# Altium PCB SupBigBrrg_0.PcbDoc (part 15 of 29) (continued)
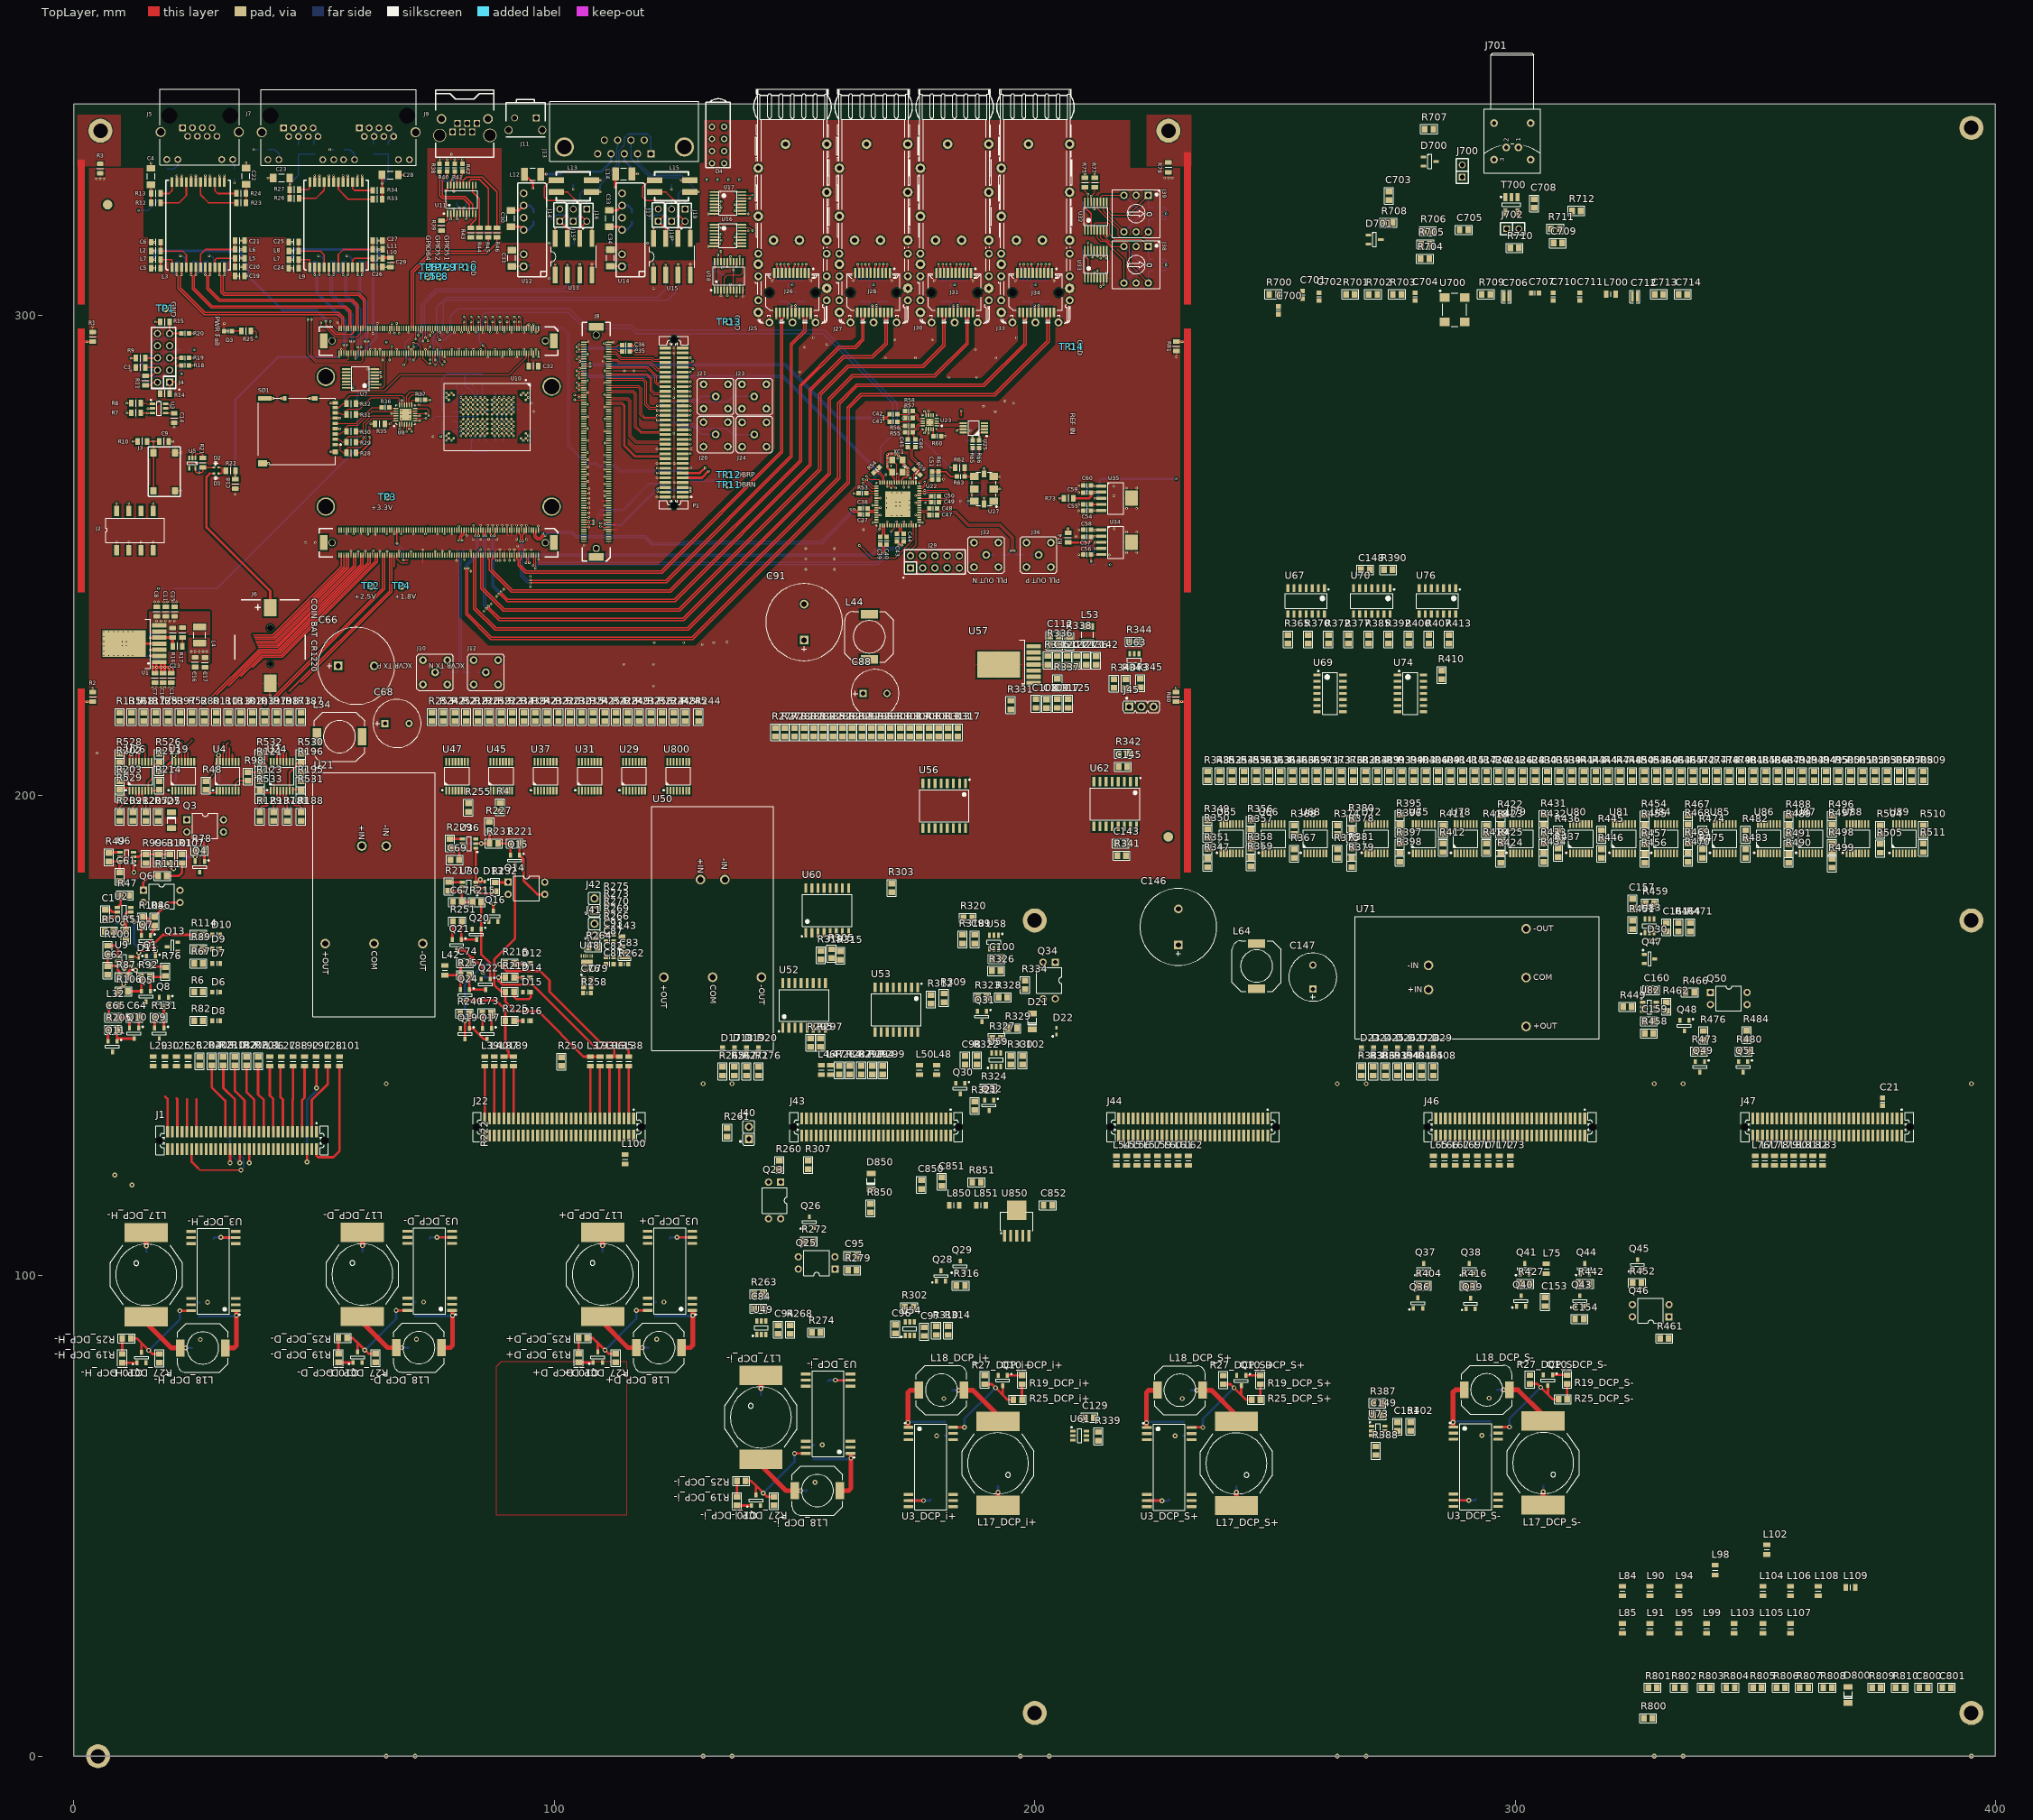
[diagram p0: TopLayer view]
## Design rules (kind name [scope] priority, off if disabled: settings) (continued)
DiffPairsRouting "Schematic Differential Pairs Routing_83" [InNet('SFP_TX_2.IO_P')] p1279: maxlimit=0.5 minlimit=0.075 mostfreqgap=0.254 toplayer_prefgap=0.175 toplayer_minwidth=0.075 toplayer_maxwidth=0.5 toplayer_prefwidth=0.25 midlayer3_maxgap=0.254 midlayer3_minwidth=0.075 midlayer3_maxwidth=0.5 midlayer3_prefwidth=0.25 midlayer4_maxgap=0.254 midlayer4_minwidth=0.075 midlayer4_maxwidth=0.5 midlayer4_prefwidth=0.25 bottomlayer_prefgap=0.175 bottomlayer_minwidth=0.075 bottomlayer_maxwidth=0.5 bottomlayer_prefwidth=0.25 maxuncoupledlength=12.7
DiffPairsRouting "Schematic Differential Pairs Routing_29" [InNet('SFP_TX_3.IO_N')] p1280: maxlimit=0.5 minlimit=0.075 mostfreqgap=0.254 toplayer_prefgap=0.175 toplayer_minwidth=0.075 toplayer_maxwidth=0.5 toplayer_prefwidth=0.25 midlayer3_maxgap=0.254 midlayer3_minwidth=0.075 midlayer3_maxwidth=0.5 midlayer3_prefwidth=0.25 midlayer4_maxgap=0.254 midlayer4_minwidth=0.075 midlayer4_maxwidth=0.5 midlayer4_prefwidth=0.25 bottomlayer_prefgap=0.175 bottomlayer_minwidth=0.075 bottomlayer_maxwidth=0.5 bottomlayer_prefwidth=0.25 maxuncoupledlength=12.7
DiffPairsRouting "Schematic Differential Pairs Routing_12" [InNet('SFP_TX_3.IO_P')] p1281: maxlimit=0.5 minlimit=0.075 mostfreqgap=0.254 toplayer_prefgap=0.175 toplayer_minwidth=0.075 toplayer_maxwidth=0.5 toplayer_prefwidth=0.25 midlayer3_maxgap=0.254 midlayer3_minwidth=0.075 midlayer3_maxwidth=0.5 midlayer3_prefwidth=0.25 midlayer4_maxgap=0.254 midlayer4_minwidth=0.075 midlayer4_maxwidth=0.5 midlayer4_prefwidth=0.25 bottomlayer_prefgap=0.175 bottomlayer_minwidth=0.075 bottomlayer_maxwidth=0.5 bottomlayer_prefwidth=0.25 maxuncoupledlength=12.7
DiffPairsRouting "Schematic Differential Pairs Routing_665" [InNet('ETH0_D_N')] p1282: maxlimit=0.5 minlimit=0.075 mostfreqgap=0.254 toplayer_prefgap=0.175 toplayer_minwidth=0.075 toplayer_maxwidth=0.5 toplayer_prefwidth=0.25 midlayer3_maxgap=0.254 midlayer3_minwidth=0.075 midlayer3_maxwidth=0.5 midlayer3_prefwidth=0.25 midlayer4_maxgap=0.254 midlayer4_minwidth=0.075 midlayer4_maxwidth=0.5 midlayer4_prefwidth=0.25 bottomlayer_prefgap=0.175 bottomlayer_minwidth=0.075 bottomlayer_maxwidth=0.5 bottomlayer_prefwidth=0.25 maxuncoupledlength=12.7
DiffPairsRouting "Schematic Differential Pairs Routing_664" [InNet('ETH0_C_P')] p1283: maxlimit=0.5 minlimit=0.075 mostfreqgap=0.254 toplayer_prefgap=0.175 toplayer_minwidth=0.075 toplayer_maxwidth=0.5 toplayer_prefwidth=0.25 midlayer3_maxgap=0.254 midlayer3_minwidth=0.075 midlayer3_maxwidth=0.5 midlayer3_prefwidth=0.25 midlayer4_maxgap=0.254 midlayer4_minwidth=0.075 midlayer4_maxwidth=0.5 midlayer4_prefwidth=0.25 bottomlayer_prefgap=0.175 bottomlayer_minwidth=0.075 bottomlayer_maxwidth=0.5 bottomlayer_prefwidth=0.25 maxuncoupledlength=12.7
DiffPairsRouting "Schematic Differential Pairs Routing_650" [InNet('ETH0_C_N')] p1284: maxlimit=0.5 minlimit=0.075 mostfreqgap=0.254 toplayer_prefgap=0.175 toplayer_minwidth=0.075 toplayer_maxwidth=0.5 toplayer_prefwidth=0.25 midlayer3_maxgap=0.254 midlayer3_minwidth=0.075 midlayer3_maxwidth=0.5 midlayer3_prefwidth=0.25 midlayer4_maxgap=0.254 midlayer4_minwidth=0.075 midlayer4_maxwidth=0.5 midlayer4_prefwidth=0.25 bottomlayer_prefgap=0.175 bottomlayer_minwidth=0.075 bottomlayer_maxwidth=0.5 bottomlayer_prefwidth=0.25 maxuncoupledlength=12.7
DiffPairsRouting "Schematic Differential Pairs Routing_648" [InNet('ETH0_A_P')] p1285: maxlimit=0.5 minlimit=0.075 mostfreqgap=0.254 toplayer_prefgap=0.175 toplayer_minwidth=0.075 toplayer_maxwidth=0.5 toplayer_prefwidth=0.25 midlayer3_maxgap=0.254 midlayer3_minwidth=0.075 midlayer3_maxwidth=0.5 midlayer3_prefwidth=0.25 midlayer4_maxgap=0.254 midlayer4_minwidth=0.075 midlayer4_maxwidth=0.5 midlayer4_prefwidth=0.25 bottomlayer_prefgap=0.175 bottomlayer_minwidth=0.075 bottomlayer_maxwidth=0.5 bottomlayer_prefwidth=0.25 maxuncoupledlength=12.7
DiffPairsRouting "Schematic Differential Pairs Routing_615" [InNet('ETH0_B_N')] p1286: maxlimit=0.5 minlimit=0.075 mostfreqgap=0.254 toplayer_prefgap=0.175 toplayer_minwidth=0.075 toplayer_maxwidth=0.5 toplayer_prefwidth=0.25 midlayer3_maxgap=0.254 midlayer3_minwidth=0.075 midlayer3_maxwidth=0.5 midlayer3_prefwidth=0.25 midlayer4_maxgap=0.254 midlayer4_minwidth=0.075 midlayer4_maxwidth=0.5 midlayer4_prefwidth=0.25 bottomlayer_prefgap=0.175 bottomlayer_minwidth=0.075 bottomlayer_maxwidth=0.5 bottomlayer_prefwidth=0.25 maxuncoupledlength=12.7
DiffPairsRouting "Schematic Differential Pairs Routing_613" [InNet('ETH0_D_N')] p1287: maxlimit=0.5 minlimit=0.075 mostfreqgap=0.254 toplayer_prefgap=0.175 toplayer_minwidth=0.075 toplayer_maxwidth=0.5 toplayer_prefwidth=0.25 midlayer3_maxgap=0.254 midlayer3_minwidth=0.075 midlayer3_maxwidth=0.5 midlayer3_prefwidth=0.25 midlayer4_maxgap=0.254 midlayer4_minwidth=0.075 midlayer4_maxwidth=0.5 midlayer4_prefwidth=0.25 bottomlayer_prefgap=0.175 bottomlayer_minwidth=0.075 bottomlayer_maxwidth=0.5 bottomlayer_prefwidth=0.25 maxuncoupledlength=12.7
DiffPairsRouting "Schematic Differential Pairs Routing_611" [InNet('ETH0_C_P')] p1288: maxlimit=0.5 minlimit=0.075 mostfreqgap=0.254 toplayer_prefgap=0.175 toplayer_minwidth=0.075 toplayer_maxwidth=0.5 toplayer_prefwidth=0.25 midlayer3_maxgap=0.254 midlayer3_minwidth=0.075 midlayer3_maxwidth=0.5 midlayer3_prefwidth=0.25 midlayer4_maxgap=0.254 midlayer4_minwidth=0.075 midlayer4_maxwidth=0.5 midlayer4_prefwidth=0.25 bottomlayer_prefgap=0.175 bottomlayer_minwidth=0.075 bottomlayer_maxwidth=0.5 bottomlayer_prefwidth=0.25 maxuncoupledlength=12.7
DiffPairsRouting "Schematic Differential Pairs Routing_610" [InNet('ETH0_C_N')] p1289: maxlimit=0.5 minlimit=0.075 mostfreqgap=0.254 toplayer_prefgap=0.175 toplayer_minwidth=0.075 toplayer_maxwidth=0.5 toplayer_prefwidth=0.25 midlayer3_maxgap=0.254 midlayer3_minwidth=0.075 midlayer3_maxwidth=0.5 midlayer3_prefwidth=0.25 midlayer4_maxgap=0.254 midlayer4_minwidth=0.075 midlayer4_maxwidth=0.5 midlayer4_prefwidth=0.25 bottomlayer_prefgap=0.175 bottomlayer_minwidth=0.075 bottomlayer_maxwidth=0.5 bottomlayer_prefwidth=0.25 maxuncoupledlength=12.7
DiffPairsRouting "Schematic Differential Pairs Routing_603" [InNet('ETH0_A_P')] p1290: maxlimit=0.5 minlimit=0.075 mostfreqgap=0.254 toplayer_prefgap=0.175 toplayer_minwidth=0.075 toplayer_maxwidth=0.5 toplayer_prefwidth=0.25 midlayer3_maxgap=0.254 midlayer3_minwidth=0.075 midlayer3_maxwidth=0.5 midlayer3_prefwidth=0.25 midlayer4_maxgap=0.254 midlayer4_minwidth=0.075 midlayer4_maxwidth=0.5 midlayer4_prefwidth=0.25 bottomlayer_prefgap=0.175 bottomlayer_minwidth=0.075 bottomlayer_maxwidth=0.5 bottomlayer_prefwidth=0.25 maxuncoupledlength=12.7
DiffPairsRouting "Schematic Differential Pairs Routing_195" [InNet('SFP_TX_2.IO_P')] p1291: maxlimit=0.5 minlimit=0.075 mostfreqgap=0.254 toplayer_prefgap=0.175 toplayer_minwidth=0.075 toplayer_maxwidth=0.5 toplayer_prefwidth=0.25 midlayer3_maxgap=0.254 midlayer3_minwidth=0.075 midlayer3_maxwidth=0.5 midlayer3_prefwidth=0.25 midlayer4_maxgap=0.254 midlayer4_minwidth=0.075 midlayer4_maxwidth=0.5 midlayer4_prefwidth=0.25 bottomlayer_prefgap=0.175 bottomlayer_minwidth=0.075 bottomlayer_maxwidth=0.5 bottomlayer_prefwidth=0.25 maxuncoupledlength=12.7
DiffPairsRouting "Schematic Differential Pairs Routing_57" [InNet('SFP_TX_3.IO_P')] p1292: maxlimit=0.5 minlimit=0.075 mostfreqgap=0.254 toplayer_prefgap=0.175 toplayer_minwidth=0.075 toplayer_maxwidth=0.5 toplayer_prefwidth=0.25 midlayer3_maxgap=0.254 midlayer3_minwidth=0.075 midlayer3_maxwidth=0.5 midlayer3_prefwidth=0.25 midlayer4_maxgap=0.254 midlayer4_minwidth=0.075 midlayer4_maxwidth=0.5 midlayer4_prefwidth=0.25 bottomlayer_prefgap=0.175 bottomlayer_minwidth=0.075 bottomlayer_maxwidth=0.5 bottomlayer_prefwidth=0.25 maxuncoupledlength=12.7
DiffPairsRouting "Schematic Differential Pairs Routing_589" [InNet('ETH0_C_P')] p1293: maxlimit=0.5 minlimit=0.075 mostfreqgap=0.254 toplayer_prefgap=0.175 toplayer_minwidth=0.075 toplayer_maxwidth=0.5 toplayer_prefwidth=0.25 midlayer3_maxgap=0.254 midlayer3_minwidth=0.075 midlayer3_maxwidth=0.5 midlayer3_prefwidth=0.25 midlayer4_maxgap=0.254 midlayer4_minwidth=0.075 midlayer4_maxwidth=0.5 midlayer4_prefwidth=0.25 bottomlayer_prefgap=0.175 bottomlayer_minwidth=0.075 bottomlayer_maxwidth=0.5 bottomlayer_prefwidth=0.25 maxuncoupledlength=12.7
DiffPairsRouting "Schematic Differential Pairs Routing_329" [InNet('SFP_TX_2.IO_P')] p1294: maxlimit=0.5 minlimit=0.075 mostfreqgap=0.254 toplayer_prefgap=0.175 toplayer_minwidth=0.075 toplayer_maxwidth=0.5 toplayer_prefwidth=0.25 midlayer3_maxgap=0.254 midlayer3_minwidth=0.075 midlayer3_maxwidth=0.5 midlayer3_prefwidth=0.25 midlayer4_maxgap=0.254 midlayer4_minwidth=0.075 midlayer4_maxwidth=0.5 midlayer4_prefwidth=0.25 bottomlayer_prefgap=0.175 bottomlayer_minwidth=0.075 bottomlayer_maxwidth=0.5 bottomlayer_prefwidth=0.25 maxuncoupledlength=12.7
DiffPairsRouting "Schematic Differential Pairs Routing_180" [InNet('SFP_TX_3.IO_P')] p1295: maxlimit=0.5 minlimit=0.075 mostfreqgap=0.254 toplayer_prefgap=0.175 toplayer_minwidth=0.075 toplayer_maxwidth=0.5 toplayer_prefwidth=0.25 midlayer3_maxgap=0.254 midlayer3_minwidth=0.075 midlayer3_maxwidth=0.5 midlayer3_prefwidth=0.25 midlayer4_maxgap=0.254 midlayer4_minwidth=0.075 midlayer4_maxwidth=0.5 midlayer4_prefwidth=0.25 bottomlayer_prefgap=0.175 bottomlayer_minwidth=0.075 bottomlayer_maxwidth=0.5 bottomlayer_prefwidth=0.25 maxuncoupledlength=12.7
DiffPairsRouting "Schematic Differential Pairs Routing_168" [InNet('SFP_TX_2.IO_P')] p1296: maxlimit=0.5 minlimit=0.075 mostfreqgap=0.254 toplayer_prefgap=0.175 toplayer_minwidth=0.075 toplayer_maxwidth=0.5 toplayer_prefwidth=0.25 midlayer3_maxgap=0.254 midlayer3_minwidth=0.075 midlayer3_maxwidth=0.5 midlayer3_prefwidth=0.25 midlayer4_maxgap=0.254 midlayer4_minwidth=0.075 midlayer4_maxwidth=0.5 midlayer4_prefwidth=0.25 bottomlayer_prefgap=0.175 bottomlayer_minwidth=0.075 bottomlayer_maxwidth=0.5 bottomlayer_prefwidth=0.25 maxuncoupledlength=12.7
DiffPairsRouting "Schematic Differential Pairs Routing_130" [InNet('ETH0_C_N')] p1297: maxlimit=0.5 minlimit=0.075 mostfreqgap=0.254 toplayer_prefgap=0.175 toplayer_minwidth=0.075 toplayer_maxwidth=0.5 toplayer_prefwidth=0.25 midlayer3_maxgap=0.254 midlayer3_minwidth=0.075 midlayer3_maxwidth=0.5 midlayer3_prefwidth=0.25 midlayer4_maxgap=0.254 midlayer4_minwidth=0.075 midlayer4_maxwidth=0.5 midlayer4_prefwidth=0.25 bottomlayer_prefgap=0.175 bottomlayer_minwidth=0.075 bottomlayer_maxwidth=0.5 bottomlayer_prefwidth=0.25 maxuncoupledlength=12.7
DiffPairsRouting "Schematic Differential Pairs Routing_111" [InNet('ETH0_C_P')] p1298: maxlimit=0.5 minlimit=0.075 mostfreqgap=0.254 toplayer_prefgap=0.175 toplayer_minwidth=0.075 toplayer_maxwidth=0.5 toplayer_prefwidth=0.25 midlayer3_maxgap=0.254 midlayer3_minwidth=0.075 midlayer3_maxwidth=0.5 midlayer3_prefwidth=0.25 midlayer4_maxgap=0.254 midlayer4_minwidth=0.075 midlayer4_maxwidth=0.5 midlayer4_prefwidth=0.25 bottomlayer_prefgap=0.175 bottomlayer_minwidth=0.075 bottomlayer_maxwidth=0.5 bottomlayer_prefwidth=0.25 maxuncoupledlength=12.7
DiffPairsRouting "Schematic Differential Pairs Routing_85" [InNet('ETH0_D_N')] p1299: maxlimit=0.5 minlimit=0.075 mostfreqgap=0.254 toplayer_prefgap=0.175 toplayer_minwidth=0.075 toplayer_maxwidth=0.5 toplayer_prefwidth=0.25 midlayer3_maxgap=0.254 midlayer3_minwidth=0.075 midlayer3_maxwidth=0.5 midlayer3_prefwidth=0.25 midlayer4_maxgap=0.254 midlayer4_minwidth=0.075 midlayer4_maxwidth=0.5 midlayer4_prefwidth=0.25 bottomlayer_prefgap=0.175 bottomlayer_minwidth=0.075 bottomlayer_maxwidth=0.5 bottomlayer_prefwidth=0.25 maxuncoupledlength=12.7
DiffPairsRouting "Schematic Differential Pairs Routing_81" [InNet('ETH0_D_P')] p1300: maxlimit=0.5 minlimit=0.075 mostfreqgap=0.254 toplayer_prefgap=0.175 toplayer_minwidth=0.075 toplayer_maxwidth=0.5 toplayer_prefwidth=0.25 midlayer3_maxgap=0.254 midlayer3_minwidth=0.075 midlayer3_maxwidth=0.5 midlayer3_prefwidth=0.25 midlayer4_maxgap=0.254 midlayer4_minwidth=0.075 midlayer4_maxwidth=0.5 midlayer4_prefwidth=0.25 bottomlayer_prefgap=0.175 bottomlayer_minwidth=0.075 bottomlayer_maxwidth=0.5 bottomlayer_prefwidth=0.25 maxuncoupledlength=12.7
DiffPairsRouting "Schematic Differential Pairs Routing_529" [InNet('ETH0_C_N')] p1301: maxlimit=0.5 minlimit=0.075 mostfreqgap=0.254 toplayer_prefgap=0.175 toplayer_minwidth=0.075 toplayer_maxwidth=0.5 toplayer_prefwidth=0.25 midlayer3_maxgap=0.254 midlayer3_minwidth=0.075 midlayer3_maxwidth=0.5 midlayer3_prefwidth=0.25 midlayer4_maxgap=0.254 midlayer4_minwidth=0.075 midlayer4_maxwidth=0.5 midlayer4_prefwidth=0.25 bottomlayer_prefgap=0.175 bottomlayer_minwidth=0.075 bottomlayer_maxwidth=0.5 bottomlayer_prefwidth=0.25 maxuncoupledlength=12.7
DiffPairsRouting "Schematic Differential Pairs Routing_528" [InNet('ETH0_C_P')] p1302: maxlimit=0.5 minlimit=0.075 mostfreqgap=0.254 toplayer_prefgap=0.175 toplayer_minwidth=0.075 toplayer_maxwidth=0.5 toplayer_prefwidth=0.25 midlayer3_maxgap=0.254 midlayer3_minwidth=0.075 midlayer3_maxwidth=0.5 midlayer3_prefwidth=0.25 midlayer4_maxgap=0.254 midlayer4_minwidth=0.075 midlayer4_maxwidth=0.5 midlayer4_prefwidth=0.25 bottomlayer_prefgap=0.175 bottomlayer_minwidth=0.075 bottomlayer_maxwidth=0.5 bottomlayer_prefwidth=0.25 maxuncoupledlength=12.7
DiffPairsRouting "Schematic Differential Pairs Routing_504" [InNet('ETH0_D_P')] p1303: maxlimit=0.5 minlimit=0.075 mostfreqgap=0.254 toplayer_prefgap=0.175 toplayer_minwidth=0.075 toplayer_maxwidth=0.5 toplayer_prefwidth=0.25 midlayer3_maxgap=0.254 midlayer3_minwidth=0.075 midlayer3_maxwidth=0.5 midlayer3_prefwidth=0.25 midlayer4_maxgap=0.254 midlayer4_minwidth=0.075 midlayer4_maxwidth=0.5 midlayer4_prefwidth=0.25 bottomlayer_prefgap=0.175 bottomlayer_minwidth=0.075 bottomlayer_maxwidth=0.5 bottomlayer_prefwidth=0.25 maxuncoupledlength=12.7
DiffPairsRouting "Schematic Differential Pairs Routing_499" [InNet('ETH0_A_P')] p1304: maxlimit=0.5 minlimit=0.075 mostfreqgap=0.254 toplayer_prefgap=0.175 toplayer_minwidth=0.075 toplayer_maxwidth=0.5 toplayer_prefwidth=0.25 midlayer3_maxgap=0.254 midlayer3_minwidth=0.075 midlayer3_maxwidth=0.5 midlayer3_prefwidth=0.25 midlayer4_maxgap=0.254 midlayer4_minwidth=0.075 midlayer4_maxwidth=0.5 midlayer4_prefwidth=0.25 bottomlayer_prefgap=0.175 bottomlayer_minwidth=0.075 bottomlayer_maxwidth=0.5 bottomlayer_prefwidth=0.25 maxuncoupledlength=12.7
DiffPairsRouting "Schematic Differential Pairs Routing_498" [InNet('ETH0_B_P')] p1305: maxlimit=0.5 minlimit=0.075 mostfreqgap=0.254 toplayer_prefgap=0.175 toplayer_minwidth=0.075 toplayer_maxwidth=0.5 toplayer_prefwidth=0.25 midlayer3_maxgap=0.254 midlayer3_minwidth=0.075 midlayer3_maxwidth=0.5 midlayer3_prefwidth=0.25 midlayer4_maxgap=0.254 midlayer4_minwidth=0.075 midlayer4_maxwidth=0.5 midlayer4_prefwidth=0.25 bottomlayer_prefgap=0.175 bottomlayer_minwidth=0.075 bottomlayer_maxwidth=0.5 bottomlayer_prefwidth=0.25 maxuncoupledlength=12.7
DiffPairsRouting "Schematic Differential Pairs Routing_264" [InNet('ETH0_D_N')] p1306: maxlimit=0.5 minlimit=0.075 mostfreqgap=0.254 toplayer_prefgap=0.175 toplayer_minwidth=0.075 toplayer_maxwidth=0.5 toplayer_prefwidth=0.25 midlayer3_maxgap=0.254 midlayer3_minwidth=0.075 midlayer3_maxwidth=0.5 midlayer3_prefwidth=0.25 midlayer4_maxgap=0.254 midlayer4_minwidth=0.075 midlayer4_maxwidth=0.5 midlayer4_prefwidth=0.25 bottomlayer_prefgap=0.175 bottomlayer_minwidth=0.075 bottomlayer_maxwidth=0.5 bottomlayer_prefwidth=0.25 maxuncoupledlength=12.7
DiffPairsRouting "Schematic Differential Pairs Routing_227" [InNet('ETH0_C_P')] p1307: maxlimit=0.5 minlimit=0.075 mostfreqgap=0.254 toplayer_prefgap=0.175 toplayer_minwidth=0.075 toplayer_maxwidth=0.5 toplayer_prefwidth=0.25 midlayer3_maxgap=0.254 midlayer3_minwidth=0.075 midlayer3_maxwidth=0.5 midlayer3_prefwidth=0.25 midlayer4_maxgap=0.254 midlayer4_minwidth=0.075 midlayer4_maxwidth=0.5 midlayer4_prefwidth=0.25 bottomlayer_prefgap=0.175 bottomlayer_minwidth=0.075 bottomlayer_maxwidth=0.5 bottomlayer_prefwidth=0.25 maxuncoupledlength=12.7
DiffPairsRouting "Schematic Differential Pairs Routing_202" [InNet('ETH0_C_N')] p1308: maxlimit=0.5 minlimit=0.075 mostfreqgap=0.254 toplayer_prefgap=0.175 toplayer_minwidth=0.075 toplayer_maxwidth=0.5 toplayer_prefwidth=0.25 midlayer3_maxgap=0.254 midlayer3_minwidth=0.075 midlayer3_maxwidth=0.5 midlayer3_prefwidth=0.25 midlayer4_maxgap=0.254 midlayer4_minwidth=0.075 midlayer4_maxwidth=0.5 midlayer4_prefwidth=0.25 bottomlayer_prefgap=0.175 bottomlayer_minwidth=0.075 bottomlayer_maxwidth=0.5 bottomlayer_prefwidth=0.25 maxuncoupledlength=12.7
DiffPairsRouting "Schematic Differential Pairs Routing_196" [InNet('ETH0_A_P')] p1309: maxlimit=0.5 minlimit=0.075 mostfreqgap=0.254 toplayer_prefgap=0.175 toplayer_minwidth=0.075 toplayer_maxwidth=0.5 toplayer_prefwidth=0.25 midlayer3_maxgap=0.254 midlayer3_minwidth=0.075 midlayer3_maxwidth=0.5 midlayer3_prefwidth=0.25 midlayer4_maxgap=0.254 midlayer4_minwidth=0.075 midlayer4_maxwidth=0.5 midlayer4_prefwidth=0.25 bottomlayer_prefgap=0.175 bottomlayer_minwidth=0.075 bottomlayer_maxwidth=0.5 bottomlayer_prefwidth=0.25 maxuncoupledlength=12.7
DiffPairsRouting "Schematic Differential Pairs Routing_192" [InNet('ETH0_A_N')] p1310: maxlimit=0.5 minlimit=0.075 mostfreqgap=0.254 toplayer_prefgap=0.175 toplayer_minwidth=0.075 toplayer_maxwidth=0.5 toplayer_prefwidth=0.25 midlayer3_maxgap=0.254 midlayer3_minwidth=0.075 midlayer3_maxwidth=0.5 midlayer3_prefwidth=0.25 midlayer4_maxgap=0.254 midlayer4_minwidth=0.075 midlayer4_maxwidth=0.5 midlayer4_prefwidth=0.25 bottomlayer_prefgap=0.175 bottomlayer_minwidth=0.075 bottomlayer_maxwidth=0.5 bottomlayer_prefwidth=0.25 maxuncoupledlength=12.7
DiffPairsRouting "Schematic Differential Pairs Routing_469" [InNet('GTP_REF0.IO_N')] p1311: maxlimit=0.5 minlimit=0.075 mostfreqgap=0.254 toplayer_prefgap=0.175 toplayer_minwidth=0.075 toplayer_maxwidth=0.5 toplayer_prefwidth=0.25 midlayer3_maxgap=0.254 midlayer3_minwidth=0.075 midlayer3_maxwidth=0.5 midlayer3_prefwidth=0.25 midlayer4_maxgap=0.254 midlayer4_minwidth=0.075 midlayer4_maxwidth=0.5 midlayer4_prefwidth=0.25 bottomlayer_prefgap=0.175 bottomlayer_minwidth=0.075 bottomlayer_maxwidth=0.5 bottomlayer_prefwidth=0.25 maxuncoupledlength=12.7
DiffPairsRouting "Schematic Differential Pairs Routing_467" [InNet('GTP_REF0.IO_P')] p1312: maxlimit=0.5 minlimit=0.075 mostfreqgap=0.254 toplayer_prefgap=0.175 toplayer_minwidth=0.075 toplayer_maxwidth=0.5 toplayer_prefwidth=0.25 midlayer3_maxgap=0.254 midlayer3_minwidth=0.075 midlayer3_maxwidth=0.5 midlayer3_prefwidth=0.25 midlayer4_maxgap=0.254 midlayer4_minwidth=0.075 midlayer4_maxwidth=0.5 midlayer4_prefwidth=0.25 bottomlayer_prefgap=0.175 bottomlayer_minwidth=0.075 bottomlayer_maxwidth=0.5 bottomlayer_prefwidth=0.25 maxuncoupledlength=12.7
DiffPairsRouting "Schematic Differential Pairs Routing_466" [InNet('GTP_REF1.IO_N')] p1313: maxlimit=0.5 minlimit=0.075 mostfreqgap=0.254 toplayer_prefgap=0.175 toplayer_minwidth=0.075 toplayer_maxwidth=0.5 toplayer_prefwidth=0.25 midlayer3_maxgap=0.254 midlayer3_minwidth=0.075 midlayer3_maxwidth=0.5 midlayer3_prefwidth=0.25 midlayer4_maxgap=0.254 midlayer4_minwidth=0.075 midlayer4_maxwidth=0.5 midlayer4_prefwidth=0.25 bottomlayer_prefgap=0.175 bottomlayer_minwidth=0.075 bottomlayer_maxwidth=0.5 bottomlayer_prefwidth=0.25 maxuncoupledlength=12.7
DiffPairsRouting "Schematic Differential Pairs Routing_463" [InNet('GTP_REF1.IO_P')] p1314: maxlimit=0.5 minlimit=0.075 mostfreqgap=0.254 toplayer_prefgap=0.175 toplayer_minwidth=0.075 toplayer_maxwidth=0.5 toplayer_prefwidth=0.25 midlayer3_maxgap=0.254 midlayer3_minwidth=0.075 midlayer3_maxwidth=0.5 midlayer3_prefwidth=0.25 midlayer4_maxgap=0.254 midlayer4_minwidth=0.075 midlayer4_maxwidth=0.5 midlayer4_prefwidth=0.25 bottomlayer_prefgap=0.175 bottomlayer_minwidth=0.075 bottomlayer_maxwidth=0.5 bottomlayer_prefwidth=0.25 maxuncoupledlength=12.7
DiffPairsRouting "Schematic Differential Pairs Routing_461" [InNet('GTP_REF2.IO_N')] p1315: maxlimit=0.5 minlimit=0.075 mostfreqgap=0.254 toplayer_prefgap=0.175 toplayer_minwidth=0.075 toplayer_maxwidth=0.5 toplayer_prefwidth=0.25 midlayer3_maxgap=0.254 midlayer3_minwidth=0.075 midlayer3_maxwidth=0.5 midlayer3_prefwidth=0.25 midlayer4_maxgap=0.254 midlayer4_minwidth=0.075 midlayer4_maxwidth=0.5 midlayer4_prefwidth=0.25 bottomlayer_prefgap=0.175 bottomlayer_minwidth=0.075 bottomlayer_maxwidth=0.5 bottomlayer_prefwidth=0.25 maxuncoupledlength=12.7
DiffPairsRouting "Schematic Differential Pairs Routing_460" [InNet('GTP_REF2.IO_P')] p1316: maxlimit=0.5 minlimit=0.075 mostfreqgap=0.254 toplayer_prefgap=0.175 toplayer_minwidth=0.075 toplayer_maxwidth=0.5 toplayer_prefwidth=0.25 midlayer3_maxgap=0.254 midlayer3_minwidth=0.075 midlayer3_maxwidth=0.5 midlayer3_prefwidth=0.25 midlayer4_maxgap=0.254 midlayer4_minwidth=0.075 midlayer4_maxwidth=0.5 midlayer4_prefwidth=0.25 bottomlayer_prefgap=0.175 bottomlayer_minwidth=0.075 bottomlayer_maxwidth=0.5 bottomlayer_prefwidth=0.25 maxuncoupledlength=12.7
DiffPairsRouting "Schematic Differential Pairs Routing_454" [InNet('MGT_RX8.IO_N')] p1317: maxlimit=0.5 minlimit=0.075 mostfreqgap=0.254 toplayer_prefgap=0.175 toplayer_minwidth=0.075 toplayer_maxwidth=0.5 toplayer_prefwidth=0.25 midlayer3_maxgap=0.254 midlayer3_minwidth=0.075 midlayer3_maxwidth=0.5 midlayer3_prefwidth=0.25 midlayer4_maxgap=0.254 midlayer4_minwidth=0.075 midlayer4_maxwidth=0.5 midlayer4_prefwidth=0.25 bottomlayer_prefgap=0.175 bottomlayer_minwidth=0.075 bottomlayer_maxwidth=0.5 bottomlayer_prefwidth=0.25 maxuncoupledlength=12.7
DiffPairsRouting "Schematic Differential Pairs Routing_451" [InNet('MGT_RX8.IO_P')] p1318: maxlimit=0.5 minlimit=0.075 mostfreqgap=0.254 toplayer_prefgap=0.175 toplayer_minwidth=0.075 toplayer_maxwidth=0.5 toplayer_prefwidth=0.25 midlayer3_maxgap=0.254 midlayer3_minwidth=0.075 midlayer3_maxwidth=0.5 midlayer3_prefwidth=0.25 midlayer4_maxgap=0.254 midlayer4_minwidth=0.075 midlayer4_maxwidth=0.5 midlayer4_prefwidth=0.25 bottomlayer_prefgap=0.175 bottomlayer_minwidth=0.075 bottomlayer_maxwidth=0.5 bottomlayer_prefwidth=0.25 maxuncoupledlength=12.7
DiffPairsRouting "Schematic Differential Pairs Routing_446" [InNet('MGT_TX8.IO_N')] p1319: maxlimit=0.5 minlimit=0.075 mostfreqgap=0.254 toplayer_prefgap=0.175 toplayer_minwidth=0.075 toplayer_maxwidth=0.5 toplayer_prefwidth=0.25 midlayer3_maxgap=0.254 midlayer3_minwidth=0.075 midlayer3_maxwidth=0.5 midlayer3_prefwidth=0.25 midlayer4_maxgap=0.254 midlayer4_minwidth=0.075 midlayer4_maxwidth=0.5 midlayer4_prefwidth=0.25 bottomlayer_prefgap=0.175 bottomlayer_minwidth=0.075 bottomlayer_maxwidth=0.5 bottomlayer_prefwidth=0.25 maxuncoupledlength=12.7
DiffPairsRouting "Schematic Differential Pairs Routing_445" [InNet('MGT_TX8.IO_P')] p1320: maxlimit=0.5 minlimit=0.075 mostfreqgap=0.254 toplayer_prefgap=0.175 toplayer_minwidth=0.075 toplayer_maxwidth=0.5 toplayer_prefwidth=0.25 midlayer3_maxgap=0.254 midlayer3_minwidth=0.075 midlayer3_maxwidth=0.5 midlayer3_prefwidth=0.25 midlayer4_maxgap=0.254 midlayer4_minwidth=0.075 midlayer4_maxwidth=0.5 midlayer4_prefwidth=0.25 bottomlayer_prefgap=0.175 bottomlayer_minwidth=0.075 bottomlayer_maxwidth=0.5 bottomlayer_prefwidth=0.25 maxuncoupledlength=12.7
DiffPairsRouting "Schematic Differential Pairs Routing_395" [InNet('MGT_TX6_N')] p1321: maxlimit=0.5 minlimit=0.075 mostfreqgap=0.254 toplayer_prefgap=0.175 toplayer_minwidth=0.075 toplayer_maxwidth=0.5 toplayer_prefwidth=0.25 midlayer3_maxgap=0.254 midlayer3_minwidth=0.075 midlayer3_maxwidth=0.5 midlayer3_prefwidth=0.25 midlayer4_maxgap=0.254 midlayer4_minwidth=0.075 midlayer4_maxwidth=0.5 midlayer4_prefwidth=0.25 bottomlayer_prefgap=0.175 bottomlayer_minwidth=0.075 bottomlayer_maxwidth=0.5 bottomlayer_prefwidth=0.25 maxuncoupledlength=12.7
DiffPairsRouting "Schematic Differential Pairs Routing_373" [InNet('MGT_TX6_P')] p1322: maxlimit=0.5 minlimit=0.075 mostfreqgap=0.254 toplayer_prefgap=0.175 toplayer_minwidth=0.075 toplayer_maxwidth=0.5 toplayer_prefwidth=0.25 midlayer3_maxgap=0.254 midlayer3_minwidth=0.075 midlayer3_maxwidth=0.5 midlayer3_prefwidth=0.25 midlayer4_maxgap=0.254 midlayer4_minwidth=0.075 midlayer4_maxwidth=0.5 midlayer4_prefwidth=0.25 bottomlayer_prefgap=0.175 bottomlayer_minwidth=0.075 bottomlayer_maxwidth=0.5 bottomlayer_prefwidth=0.25 maxuncoupledlength=12.7
DiffPairsRouting "Schematic Differential Pairs Routing_248" [InNet('ETH0_D_N')] p1323: maxlimit=0.5 minlimit=0.075 mostfreqgap=0.254 toplayer_prefgap=0.175 toplayer_minwidth=0.075 toplayer_maxwidth=0.5 toplayer_prefwidth=0.25 midlayer3_maxgap=0.254 midlayer3_minwidth=0.075 midlayer3_maxwidth=0.5 midlayer3_prefwidth=0.25 midlayer4_maxgap=0.254 midlayer4_minwidth=0.075 midlayer4_maxwidth=0.5 midlayer4_prefwidth=0.25 bottomlayer_prefgap=0.175 bottomlayer_minwidth=0.075 bottomlayer_maxwidth=0.5 bottomlayer_prefwidth=0.25 maxuncoupledlength=12.7
DiffPairsRouting "Schematic Differential Pairs Routing_226" [InNet('ETH0_C_P')] p1324: maxlimit=0.5 minlimit=0.075 mostfreqgap=0.254 toplayer_prefgap=0.175 toplayer_minwidth=0.075 toplayer_maxwidth=0.5 toplayer_prefwidth=0.25 midlayer3_maxgap=0.254 midlayer3_minwidth=0.075 midlayer3_maxwidth=0.5 midlayer3_prefwidth=0.25 midlayer4_maxgap=0.254 midlayer4_minwidth=0.075 midlayer4_maxwidth=0.5 midlayer4_prefwidth=0.25 bottomlayer_prefgap=0.175 bottomlayer_minwidth=0.075 bottomlayer_maxwidth=0.5 bottomlayer_prefwidth=0.25 maxuncoupledlength=12.7
DiffPairsRouting "Schematic Differential Pairs Routing_205" [InNet('ETH0_C_N')] p1325: maxlimit=0.5 minlimit=0.075 mostfreqgap=0.254 toplayer_prefgap=0.175 toplayer_minwidth=0.075 toplayer_maxwidth=0.5 toplayer_prefwidth=0.25 midlayer3_maxgap=0.254 midlayer3_minwidth=0.075 midlayer3_maxwidth=0.5 midlayer3_prefwidth=0.25 midlayer4_maxgap=0.254 midlayer4_minwidth=0.075 midlayer4_maxwidth=0.5 midlayer4_prefwidth=0.25 bottomlayer_prefgap=0.175 bottomlayer_minwidth=0.075 bottomlayer_maxwidth=0.5 bottomlayer_prefwidth=0.25 maxuncoupledlength=12.7
DiffPairsRouting "Schematic Differential Pairs Routing_201" [InNet('ETH0_A_N')] p1326: maxlimit=0.5 minlimit=0.075 mostfreqgap=0.254 toplayer_prefgap=0.175 toplayer_minwidth=0.075 toplayer_maxwidth=0.5 toplayer_prefwidth=0.25 midlayer3_maxgap=0.254 midlayer3_minwidth=0.075 midlayer3_maxwidth=0.5 midlayer3_prefwidth=0.25 midlayer4_maxgap=0.254 midlayer4_minwidth=0.075 midlayer4_maxwidth=0.5 midlayer4_prefwidth=0.25 bottomlayer_prefgap=0.175 bottomlayer_minwidth=0.075 bottomlayer_maxwidth=0.5 bottomlayer_prefwidth=0.25 maxuncoupledlength=12.7
DiffPairsRouting "Schematic Differential Pairs Routing_450" [InNet('ETH0_C_P')] p1327: maxlimit=0.5 minlimit=0.075 mostfreqgap=0.254 toplayer_prefgap=0.175 toplayer_minwidth=0.075 toplayer_maxwidth=0.5 toplayer_prefwidth=0.25 midlayer3_maxgap=0.254 midlayer3_minwidth=0.075 midlayer3_maxwidth=0.5 midlayer3_prefwidth=0.25 midlayer4_maxgap=0.254 midlayer4_minwidth=0.075 midlayer4_maxwidth=0.5 midlayer4_prefwidth=0.25 bottomlayer_prefgap=0.175 bottomlayer_minwidth=0.075 bottomlayer_maxwidth=0.5 bottomlayer_prefwidth=0.25 maxuncoupledlength=12.7
DiffPairsRouting "Schematic Differential Pairs Routing_394" [InNet('ETH0_A_P')] p1328: maxlimit=0.5 minlimit=0.075 mostfreqgap=0.254 toplayer_prefgap=0.175 toplayer_minwidth=0.075 toplayer_maxwidth=0.5 toplayer_prefwidth=0.25 midlayer3_maxgap=0.254 midlayer3_minwidth=0.075 midlayer3_maxwidth=0.5 midlayer3_prefwidth=0.25 midlayer4_maxgap=0.254 midlayer4_minwidth=0.075 midlayer4_maxwidth=0.5 midlayer4_prefwidth=0.25 bottomlayer_prefgap=0.175 bottomlayer_minwidth=0.075 bottomlayer_maxwidth=0.5 bottomlayer_prefwidth=0.25 maxuncoupledlength=12.7
DiffPairsRouting "Schematic Differential Pairs Routing_393" [InNet('ETH0_B_N')] p1329: maxlimit=0.5 minlimit=0.075 mostfreqgap=0.254 toplayer_prefgap=0.175 toplayer_minwidth=0.075 toplayer_maxwidth=0.5 toplayer_prefwidth=0.25 midlayer3_maxgap=0.254 midlayer3_minwidth=0.075 midlayer3_maxwidth=0.5 midlayer3_prefwidth=0.25 midlayer4_maxgap=0.254 midlayer4_minwidth=0.075 midlayer4_maxwidth=0.5 midlayer4_prefwidth=0.25 bottomlayer_prefgap=0.175 bottomlayer_minwidth=0.075 bottomlayer_maxwidth=0.5 bottomlayer_prefwidth=0.25 maxuncoupledlength=12.7